# EAGLE board Mk4 Final a Panel score 2x5 (EAGLE 9.0.1), part 27 of 29
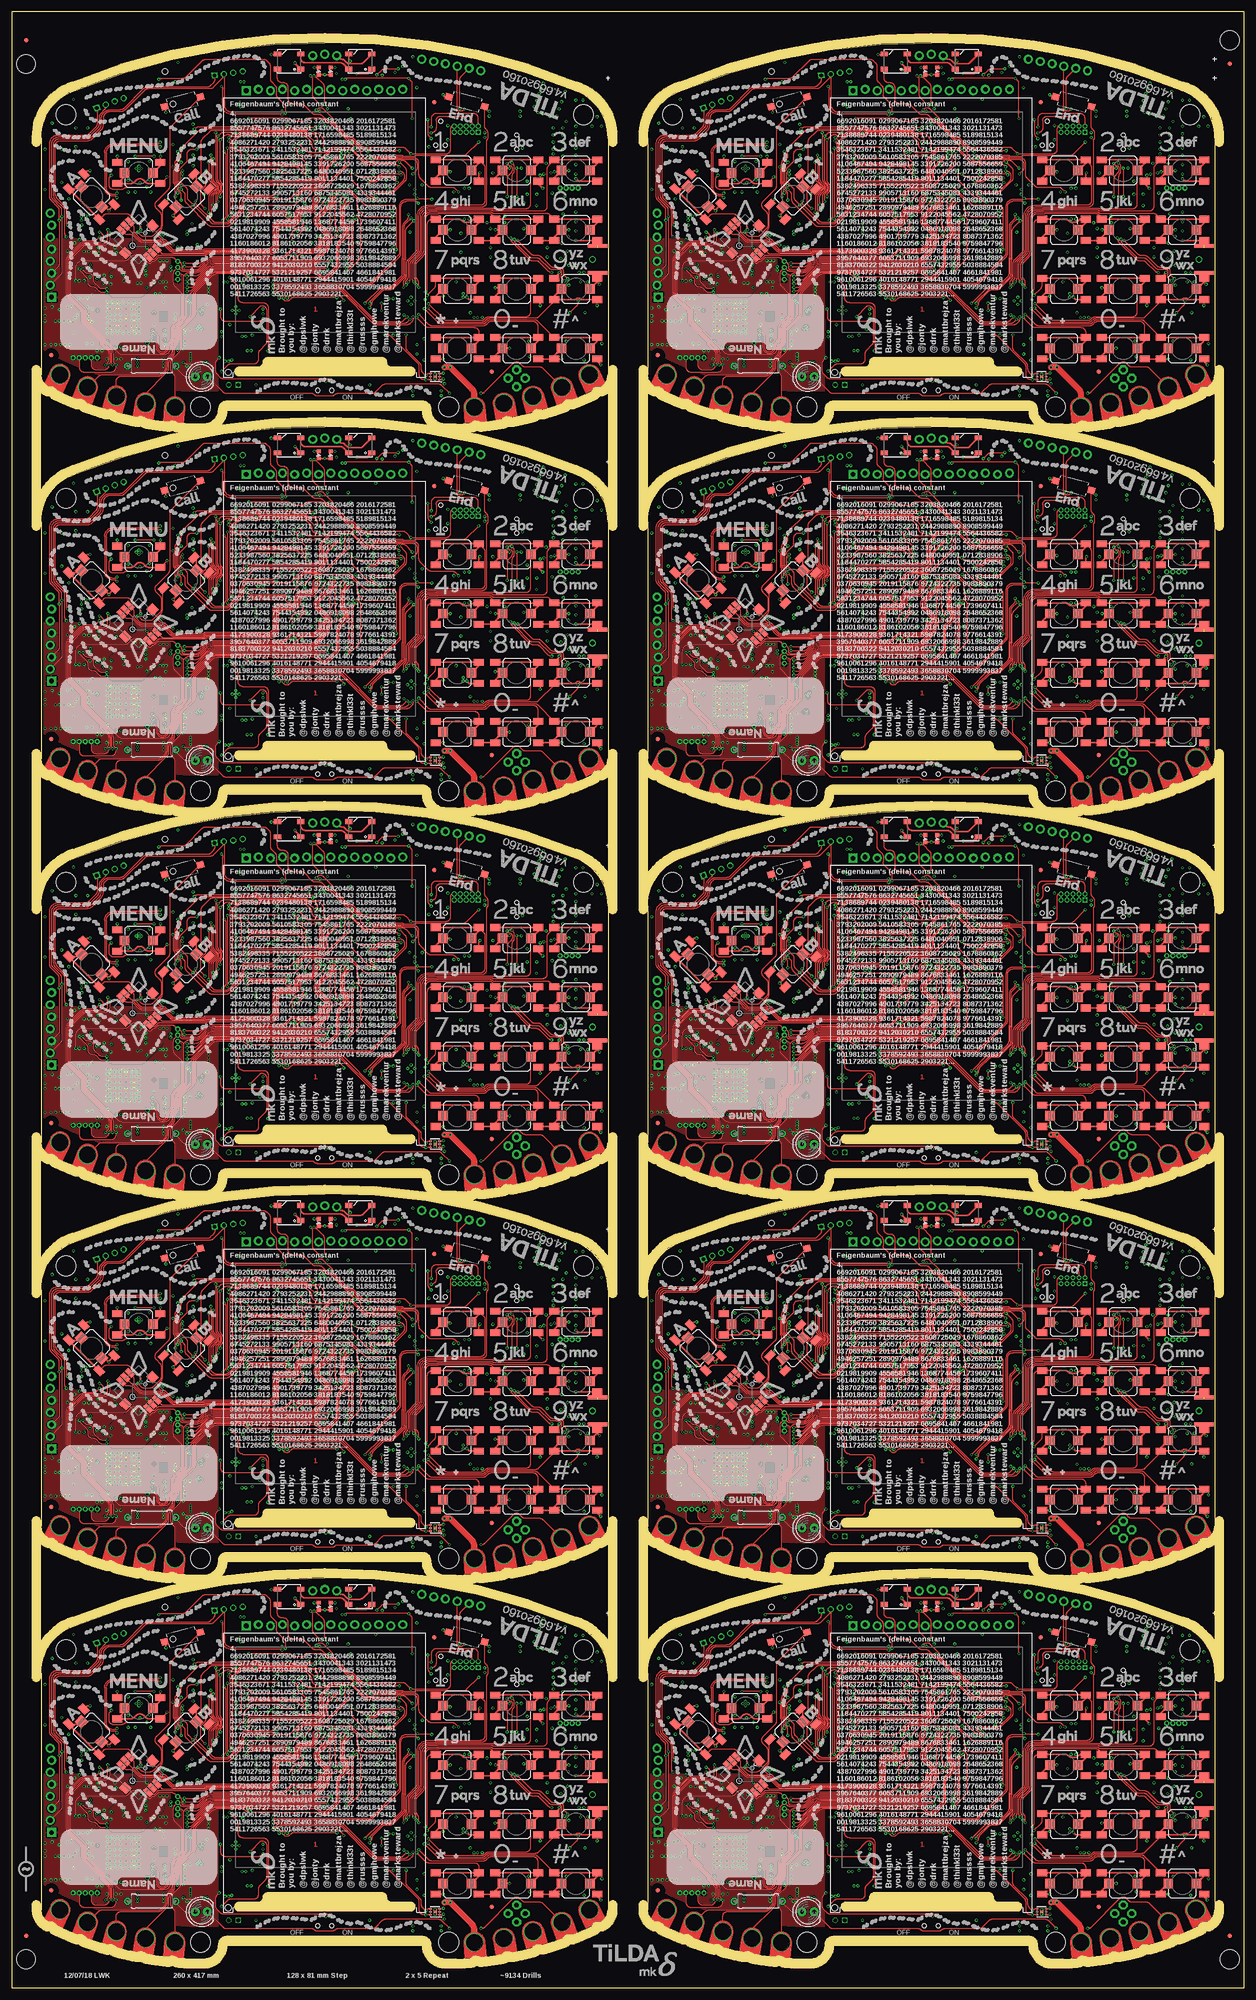
[diagram p0: board, top side]
## Tracks (layer width: path | path; a pad name or v marks a point on that pad's centre or on a via) (continued)
UART3_CC_TX5  (via drill 0.3) (continued)
  Top 0.15: v157.75,185.75 158.45,185.05 158.45,184.2 arc90 159.7,182.95 159.85,182.95 arc90 161.1,184.2 arc-45 161.49,185.14 161.73,185.38 arc45 162.1,186.27 162.1,187.62 arc-45 162.76,189.21 163.88,190.33 arc45 164.25,191.22 164.25,199.25 | 164.25,199.25 164.71,199.71 arc-45 165.41,200 166.96,200 arc45 168.02,200.44 168.88,201.29 arc-45 170.82,202.1 191.03,202.1 arc45 192.09,202.54 194.41,204.85 arc45 194.7,205.56 194.7,206.02 arc-45 194.85,206.37 195.05,206.58 arc45 195.2,206.93 195.2,213.09 arc-45 195.41,213.59 195.75,213.94 arc45 195.9,214.29 195.9,214.3 arc-45 196.05,214.66 arc45 196.12,214.84 196.12,215.67 arc-45 196.27,216.02 v196.75,216.5 | JP52.2 163.32,199.77 arc-45 164.02,199.48 164.25,199.25
  Bottom 0.15: IC101.57 arc-90 156.65,189.55 156.65,188.06 arc45 156.71,187.92 156.77,187.86 arc-45 156.82,187.72 156.82,187.09 arc45 157.12,186.38 v157.75,185.75 R459.1 | v196.75,216.5 196.75,218.28 arc-90 197.75,219.28 199.62,219.28 199.69,219.2 IC92.117
UART3_CC_TX6  (via drill 0.3)
  Top 0.15: v29.75,266.75 30.45,266.05 30.45,265.2 arc90 31.7,263.95 31.85,263.95 arc90 33.1,265.2 arc-45 33.49,266.14 33.73,266.38 arc45 34.1,267.27 34.1,268.62 arc-45 34.76,270.21 35.88,271.33 arc45 36.25,272.22 36.25,280.25 | 36.25,280.25 36.71,280.71 arc-45 37.41,281 38.96,281 arc45 40.02,281.44 40.88,282.3 arc-45 42.82,283.1 63.03,283.1 arc45 64.09,283.54 66.41,285.85 arc45 66.7,286.56 66.7,287.02 arc-45 66.85,287.37 67.05,287.58 arc45 67.2,287.93 67.2,294.09 arc-45 67.41,294.59 67.75,294.94 arc45 67.9,295.29 67.9,295.3 arc-45 68.05,295.65 arc45 68.12,295.85 68.12,296.67 arc-45 68.27,297.02 v68.75,297.5 | JP61.2 35.32,280.77 arc-45 36.02,280.48 36.25,280.25
  Bottom 0.15: IC119.57 arc-90 28.65,270.55 28.65,269.06 arc45 28.71,268.92 28.77,268.86 arc-45 28.83,268.72 28.83,268.09 arc45 29.12,267.38 v29.75,266.75 R537.1 | v68.75,297.5 68.75,299.27 arc-90 69.75,300.27 71.62,300.27 71.69,300.2 IC110.117
UART3_CC_TX7  (via drill 0.3)
  Top 0.15: v157.75,266.75 158.45,266.05 158.45,265.2 arc90 159.7,263.95 159.85,263.95 arc90 161.1,265.2 arc-45 161.49,266.14 161.73,266.38 arc45 162.1,267.27 162.1,268.62 arc-45 162.76,270.21 163.88,271.33 arc45 164.25,272.22 164.25,280.25 | 164.25,280.25 164.71,280.71 arc-45 165.41,281 166.96,281 arc45 168.02,281.44 168.88,282.3 arc-45 170.82,283.1 191.03,283.1 arc45 192.09,283.54 194.41,285.85 arc45 194.7,286.56 194.7,287.02 arc-45 194.85,287.37 195.05,287.58 arc45 195.2,287.93 195.2,294.09 arc-45 195.41,294.59 195.75,294.94 arc45 195.9,295.29 195.9,295.3 arc-45 196.05,295.65 arc45 196.12,295.85 196.12,296.67 arc-45 196.27,297.02 v196.75,297.5 | JP70.2 163.32,280.77 arc-45 164.02,280.48 164.25,280.25
  Bottom 0.15: IC137.57 arc-90 156.65,270.55 156.65,269.06 arc45 156.71,268.92 156.77,268.86 arc-45 156.82,268.72 156.82,268.09 arc45 157.12,267.38 v157.75,266.75 R615.1 | v196.75,297.5 196.75,299.27 arc-90 197.75,300.27 199.62,300.27 199.69,300.2 IC128.117
UART3_CC_TX8  (via drill 0.3)
  Top 0.15: v29.75,347.75 30.45,347.05 30.45,346.2 arc90 31.7,344.95 31.85,344.95 arc90 33.1,346.2 arc-45 33.49,347.14 33.73,347.38 arc45 34.1,348.27 34.1,349.62 arc-45 34.76,351.21 35.88,352.33 arc45 36.25,353.22 36.25,361.25 | 36.25,361.25 36.71,361.71 arc-45 37.41,362 38.96,362 arc45 40.02,362.44 40.88,363.3 arc-45 42.82,364.1 63.03,364.1 arc45 64.09,364.54 66.41,366.85 arc45 66.7,367.56 66.7,368.02 arc-45 66.85,368.37 67.05,368.58 arc45 67.2,368.93 67.2,375.09 arc-45 67.41,375.59 67.75,375.94 arc45 67.9,376.29 67.9,376.3 arc-45 68.05,376.65 arc45 68.12,376.85 68.12,377.67 arc-45 68.27,378.02 v68.75,378.5 | JP79.2 35.32,361.77 arc-45 36.02,361.48 36.25,361.25
  Bottom 0.15: IC155.57 arc-90 28.65,351.55 28.65,350.06 arc45 28.71,349.92 28.77,349.86 arc-45 28.83,349.72 28.83,349.09 arc45 29.12,348.38 v29.75,347.75 R693.1 | v68.75,378.5 68.75,380.27 arc-90 69.75,381.27 71.62,381.27 71.69,381.2 IC146.117
UART3_CC_TX9  (via drill 0.3)
  Top 0.15: v157.75,347.75 158.45,347.05 158.45,346.2 arc90 159.7,344.95 159.85,344.95 arc90 161.1,346.2 arc-45 161.49,347.14 161.73,347.38 arc45 162.1,348.27 162.1,349.62 arc-45 162.76,351.21 163.88,352.33 arc45 164.25,353.22 164.25,361.25 | 164.25,361.25 164.71,361.71 arc-45 165.41,362 166.96,362 arc45 168.02,362.44 168.88,363.3 arc-45 170.82,364.1 191.03,364.1 arc45 192.09,364.54 194.41,366.85 arc45 194.7,367.56 194.7,368.02 arc-45 194.85,368.37 195.05,368.58 arc45 195.2,368.93 195.2,375.09 arc-45 195.41,375.59 195.75,375.94 arc45 195.9,376.29 195.9,376.3 arc-45 196.05,376.65 arc45 196.12,376.85 196.12,377.67 arc-45 196.27,378.02 v196.75,378.5 | JP88.2 163.32,361.77 arc-45 164.02,361.48 164.25,361.25
  Bottom 0.15: IC173.57 arc-90 156.65,351.55 156.65,350.06 arc45 156.71,349.92 156.77,349.86 arc-45 156.82,349.72 156.82,349.09 arc45 157.12,348.38 v157.75,347.75 R771.1 | v196.75,378.5 196.75,380.27 arc-90 197.75,381.27 199.62,381.27 199.69,381.2 IC164.117
UART4_EXT_RX  (via drill 0.3)
  Top 0.15: PCB.CH3 22.04,15.1 arc-90 23.04,16.1 30.88,16.1 arc45 31.77,16.47 32.48,17.18 arc45 32.85,18.07 32.85,18.93 arc-45 33.29,19.99 33.73,20.43 arc45 34.1,21.32 34.1,21.86 arc-45 34.47,22.74 arc45 35,24.03 35,25.55 arc-45 35.44,26.61 37.41,28.58 arc45 37.7,29.29 v37.7,31.5 | v65.4,45.7 65.35,45.65 arc45 65.2,45.29 65.2,44.37 arc-45 64.83,43.48 64.42,43.07 arc-45 63.53,42.7 59.61,42.7 arc45 58.91,42.41 57.87,41.37 arc-45 56.98,41 42.76,41 arc45 40.38,40.08 39.8,39.49 arc-45 39.09,39.2 v36.4,39.2
  Top 0.2: J10.1 arc-45 18.1,72.32 18.1,69.51 arc-45 17.81,68.81 16.29,67.29 arc-45 15.59,67 9.75,67 arc90 8,65.25 8,53.91 arc45 8.29,53.21 9.71,51.79 arc-45 10,51.09 v10,49 10,39.87 arc-45 9.71,39.16 JP6.3
  3V3@2 0.15: 22,11.87 PCB.CH3 | v36.4,39.2 36.3,39.2 35.75,39.75 35.75,40.73 34.95,41.53 v34.95,43.35 | v14.7,49 v10,49
  Bottom 0.15: v65.4,45.7 65.32,45.78 arc-45 65.18,46.13 65.18,47.37 arc45 65.03,47.72 64.85,47.9 arc-45 64.7,48.26 64.7,49.26 arc-45 64.99,49.97 65.11,50.08 arc45 65.4,50.79 IC1.18 | v36.4,39.2 arc-45 36.91,38.99 37.71,38.19 arc-45 38,37.49 38,32.21 arc-45 v37.71,31.51 v37.7,31.5 | v14.7,49 26.41,49 arc-45 27.12,48.71 28.71,47.11 arc45 29.95,46.6 32.9,46.6 arc-90 33.9,45.6 33.9,45.03 arc45 34.03,44.73 34.63,44.12 arc-45 v34.95,43.35
  Bottom 0.3: J10.5 J10.1
UART4_EXT_RX1  (via drill 0.3)
  Top 0.15: PCB1.CH3 150.04,15.1 arc-90 151.04,16.1 158.88,16.1 arc45 159.77,16.47 160.48,17.18 arc45 160.85,18.07 160.85,18.93 arc-45 161.29,19.99 161.73,20.43 arc45 162.1,21.32 162.1,21.86 arc-45 162.47,22.74 arc45 163,24.03 163,25.55 arc-45 163.44,26.61 165.41,28.58 arc45 165.7,29.29 v165.7,31.5 | v193.4,45.7 193.35,45.65 arc45 193.2,45.29 193.2,44.37 arc-45 192.83,43.48 192.42,43.07 arc-45 191.53,42.7 187.61,42.7 arc45 186.91,42.41 185.87,41.37 arc-45 184.98,41 170.76,41 arc45 168.38,40.08 167.8,39.49 arc-45 167.09,39.2 v164.4,39.2
  Top 0.2: J16.1 arc-45 146.1,72.32 146.1,69.51 arc-45 145.81,68.81 144.29,67.29 arc-45 143.59,67 137.75,67 arc90 136,65.25 136,53.91 arc45 136.29,53.21 137.71,51.79 arc-45 138,51.09 v138,49 138,39.87 arc-45 137.71,39.16 JP17.3
  3V3@2 0.15: 150,11.87 PCB1.CH3 | v164.4,39.2 164.3,39.2 163.75,39.75 163.75,40.73 162.95,41.53 v162.95,43.35 | v142.7,49 v138,49
  Bottom 0.15: v193.4,45.7 193.32,45.78 arc-45 193.18,46.13 193.18,47.37 arc45 193.03,47.72 192.85,47.9 arc-45 192.7,48.26 192.7,49.26 arc-45 192.99,49.97 193.11,50.08 arc45 193.4,50.79 IC20.18 | v164.4,39.2 arc-45 164.91,38.99 165.71,38.19 arc-45 166,37.49 166,32.21 arc-45 v165.71,31.51 v165.7,31.5 | v142.7,49 154.41,49 arc-45 155.12,48.71 156.71,47.11 arc45 157.95,46.6 160.9,46.6 arc-90 161.9,45.6 161.9,45.03 arc45 162.03,44.73 162.63,44.12 arc-45 v162.95,43.35
  Bottom 0.3: J16.5 J16.1
UART4_EXT_RX2  (via drill 0.3)
  Top 0.15: PCB2.CH3 22.04,96.1 arc-90 23.04,97.1 30.88,97.1 arc45 31.77,97.47 32.48,98.18 arc45 32.85,99.07 32.85,99.93 arc-45 33.29,100.99 33.73,101.43 arc45 34.1,102.32 34.1,102.86 arc-45 34.47,103.74 arc45 35,105.03 35,106.55 arc-45 35.44,107.61 37.41,109.58 arc45 37.7,110.29 v37.7,112.5 | v65.4,126.7 65.35,126.65 arc45 65.2,126.29 65.2,125.37 arc-45 64.83,124.48 64.42,124.07 arc-45 63.53,123.7 59.61,123.7 arc45 58.91,123.41 57.87,122.37 arc-45 56.98,122 42.76,122 arc45 40.38,121.08 39.8,120.49 arc-45 39.09,120.2 v36.4,120.2
  Top 0.2: J26.1 arc-45 18.1,153.32 18.1,150.51 arc-45 17.81,149.81 16.29,148.29 arc-45 15.59,148 9.75,148 arc90 8,146.25 8,134.91 arc45 8.29,134.21 9.71,132.79 arc-45 10,132.09 v10,130 10,120.87 arc-45 9.71,120.16 JP26.3
  3V3@2 0.15: 22,92.87 PCB2.CH3 | v36.4,120.2 36.3,120.2 35.75,120.75 35.75,121.73 34.95,122.53 v34.95,124.35 | v14.7,130 v10,130
  Bottom 0.15: v65.4,126.7 65.32,126.78 arc-45 65.18,127.13 65.18,128.37 arc45 65.03,128.72 64.85,128.9 arc-45 64.7,129.26 64.7,130.26 arc-45 64.99,130.97 65.11,131.08 arc45 65.4,131.79 IC38.18 | v36.4,120.2 arc-45 36.91,119.99 37.71,119.19 arc-45 38,118.49 38,113.21 arc-45 v37.71,112.51 v37.7,112.5 | v14.7,130 26.41,130 arc-45 27.12,129.71 28.71,128.11 arc45 29.95,127.6 32.9,127.6 arc-90 33.9,126.6 33.9,126.03 arc45 34.03,125.73 34.63,125.12 arc-45 v34.95,124.35
  Bottom 0.3: J26.5 J26.1
UART4_EXT_RX3  (via drill 0.3)
  Top 0.15: PCB3.CH3 150.04,96.1 arc-90 151.04,97.1 158.88,97.1 arc45 159.77,97.47 160.48,98.18 arc45 160.85,99.07 160.85,99.93 arc-45 161.29,100.99 161.73,101.43 arc45 162.1,102.32 162.1,102.86 arc-45 162.47,103.74 arc45 163,105.03 163,106.55 arc-45 163.44,107.61 165.41,109.58 arc45 165.7,110.29 v165.7,112.5 | v193.4,126.7 193.35,126.65 arc45 193.2,126.29 193.2,125.37 arc-45 192.83,124.48 192.42,124.07 arc-45 191.53,123.7 187.61,123.7 arc45 186.91,123.41 185.87,122.37 arc-45 184.98,122 170.76,122 arc45 168.38,121.08 167.8,120.49 arc-45 167.09,120.2 v164.4,120.2
  Top 0.2: J36.1 arc-45 146.1,153.32 146.1,150.51 arc-45 145.81,149.81 144.29,148.29 arc-45 143.59,148 137.75,148 arc90 136,146.25 136,134.91 arc45 136.29,134.21 137.71,132.79 arc-45 138,132.09 v138,130 138,120.87 arc-45 137.71,120.16 JP35.3
  3V3@2 0.15: 150,92.87 PCB3.CH3 | v164.4,120.2 164.3,120.2 163.75,120.75 163.75,121.73 162.95,122.53 v162.95,124.35 | v142.7,130 v138,130
  Bottom 0.15: v193.4,126.7 193.32,126.78 arc-45 193.18,127.13 193.18,128.37 arc45 193.03,128.72 192.85,128.9 arc-45 192.7,129.26 192.7,130.26 arc-45 192.99,130.97 193.11,131.08 arc45 193.4,131.79 IC56.18 | v164.4,120.2 arc-45 164.91,119.99 165.71,119.19 arc-45 166,118.49 166,113.21 arc-45 v165.71,112.51 v165.7,112.5 | v142.7,130 154.41,130 arc-45 155.12,129.71 156.71,128.11 arc45 157.95,127.6 160.9,127.6 arc-90 161.9,126.6 161.9,126.03 arc45 162.03,125.73 162.63,125.12 arc-45 v162.95,124.35
  Bottom 0.3: J36.5 J36.1
UART4_EXT_RX4  (via drill 0.3)
  Top 0.15: PCB4.CH3 22.04,177.1 arc-90 23.04,178.1 30.88,178.1 arc45 31.77,178.47 32.48,179.18 arc45 32.85,180.07 32.85,180.93 arc-45 33.29,181.99 33.73,182.43 arc45 34.1,183.32 34.1,183.86 arc-45 34.47,184.74 arc45 35,186.03 35,187.55 arc-45 35.44,188.62 37.41,190.58 arc45 37.7,191.29 v37.7,193.5 | v65.4,207.7 65.35,207.65 arc45 65.2,207.29 65.2,206.37 arc-45 64.83,205.48 64.42,205.07 arc-45 63.53,204.7 59.61,204.7 arc45 58.91,204.41 57.87,203.37 arc-45 56.98,203 42.76,203 arc45 40.38,202.07 39.8,201.49 arc-45 39.09,201.2 v36.4,201.2
  Top 0.2: J46.1 arc-45 18.1,234.32 18.1,231.51 arc-45 17.81,230.81 16.29,229.29 arc-45 15.59,229 9.75,229 arc90 8,227.25 8,215.91 arc45 8.29,215.21 9.71,213.79 arc-45 10,213.09 v10,211 10,201.87 arc-45 9.71,201.16 JP44.3
  3V3@2 0.15: 22,173.87 PCB4.CH3 | v36.4,201.2 36.3,201.2 35.75,201.75 35.75,202.73 34.95,203.53 v34.95,205.35 | v14.7,211 v10,211
  Bottom 0.15: v65.4,207.7 65.32,207.78 arc-45 65.18,208.13 65.18,209.37 arc45 65.03,209.72 64.85,209.9 arc-45 64.7,210.26 64.7,211.26 arc-45 64.99,211.97 65.11,212.08 arc45 65.4,212.79 IC74.18 | v36.4,201.2 arc-45 36.91,200.99 37.71,200.19 arc-45 38,199.49 38,194.21 arc-45 v37.71,193.51 v37.7,193.5 | v14.7,211 26.41,211 arc-45 27.12,210.71 28.71,209.11 arc45 29.95,208.6 32.9,208.6 arc-90 33.9,207.6 33.9,207.03 arc45 34.03,206.73 34.63,206.12 arc-45 v34.95,205.35
  Bottom 0.3: J46.5 J46.1
UART4_EXT_RX5  (via drill 0.3)
  Top 0.15: PCB5.CH3 150.04,177.1 arc-90 151.04,178.1 158.88,178.1 arc45 159.77,178.47 160.48,179.18 arc45 160.85,180.07 160.85,180.93 arc-45 161.29,181.99 161.73,182.43 arc45 162.1,183.32 162.1,183.86 arc-45 162.47,184.74 arc45 163,186.03 163,187.55 arc-45 163.44,188.62 165.41,190.58 arc45 165.7,191.29 v165.7,193.5 | v193.4,207.7 193.35,207.65 arc45 193.2,207.29 193.2,206.37 arc-45 192.83,205.48 192.42,205.07 arc-45 191.53,204.7 187.61,204.7 arc45 186.91,204.41 185.87,203.37 arc-45 184.98,203 170.76,203 arc45 168.38,202.07 167.8,201.49 arc-45 167.09,201.2 v164.4,201.2
  Top 0.2: J56.1 arc-45 146.1,234.32 146.1,231.51 arc-45 145.81,230.81 144.29,229.29 arc-45 143.59,229 137.75,229 arc90 136,227.25 136,215.91 arc45 136.29,215.21 137.71,213.79 arc-45 138,213.09 v138,211 138,201.87 arc-45 137.71,201.16 JP53.3
  3V3@2 0.15: 150,173.87 PCB5.CH3 | v164.4,201.2 164.3,201.2 163.75,201.75 163.75,202.73 162.95,203.53 v162.95,205.35 | v142.7,211 v138,211
  Bottom 0.15: v193.4,207.7 193.32,207.78 arc-45 193.18,208.13 193.18,209.37 arc45 193.03,209.72 192.85,209.9 arc-45 192.7,210.26 192.7,211.26 arc-45 192.99,211.97 193.11,212.08 arc45 193.4,212.79 IC92.18 | v164.4,201.2 arc-45 164.91,200.99 165.71,200.19 arc-45 166,199.49 166,194.21 arc-45 v165.71,193.51 v165.7,193.5 | v142.7,211 154.41,211 arc-45 155.12,210.71 156.71,209.11 arc45 157.95,208.6 160.9,208.6 arc-90 161.9,207.6 161.9,207.03 arc45 162.03,206.73 162.63,206.12 arc-45 v162.95,205.35
  Bottom 0.3: J56.5 J56.1
UART4_EXT_RX6  (via drill 0.3)
  Top 0.15: PCB6.CH3 22.04,258.1 arc-90 23.04,259.1 30.88,259.1 arc45 31.77,259.47 32.48,260.18 arc45 32.85,261.07 32.85,261.93 arc-45 33.29,262.99 33.73,263.43 arc45 34.1,264.32 34.1,264.86 arc-45 34.47,265.74 arc45 35,267.03 35,268.55 arc-45 35.44,269.62 37.41,271.58 arc45 37.7,272.29 v37.7,274.5 | v65.4,288.7 65.35,288.65 arc45 65.2,288.29 65.2,287.37 arc-45 64.83,286.48 64.42,286.07 arc-45 63.53,285.7 59.61,285.7 arc45 58.91,285.41 57.87,284.37 arc-45 56.98,284 42.76,284 arc45 40.38,283.07 39.8,282.49 arc-45 39.09,282.2 v36.4,282.2
  Top 0.2: J66.1 arc-45 18.1,315.32 18.1,312.51 arc-45 17.81,311.81 16.29,310.29 arc-45 15.59,310 9.75,310 arc90 8,308.25 8,296.91 arc45 8.29,296.21 9.71,294.79 arc-45 10,294.09 v10,292 10,282.87 arc-45 9.71,282.16 JP62.3
  3V3@2 0.15: 22,254.87 PCB6.CH3 | v36.4,282.2 36.3,282.2 35.75,282.75 35.75,283.73 34.95,284.53 v34.95,286.35 | v14.7,292 v10,292
  Bottom 0.15: v65.4,288.7 65.32,288.78 arc-45 65.18,289.13 65.18,290.37 arc45 65.03,290.72 64.85,290.9 arc-45 64.7,291.26 64.7,292.26 arc-45 64.99,292.97 65.11,293.08 arc45 65.4,293.79 IC110.18 | v36.4,282.2 arc-45 36.91,281.99 37.71,281.19 arc-45 38,280.49 38,275.21 arc-45 v37.71,274.51 v37.7,274.5 | v14.7,292 26.41,292 arc-45 27.12,291.71 28.71,290.11 arc45 29.95,289.6 32.9,289.6 arc-90 33.9,288.6 33.9,288.03 arc45 34.03,287.73 34.63,287.12 arc-45 v34.95,286.35
  Bottom 0.3: J66.5 J66.1
UART4_EXT_RX7  (via drill 0.3)
  Top 0.15: PCB7.CH3 150.04,258.1 arc-90 151.04,259.1 158.88,259.1 arc45 159.77,259.47 160.48,260.18 arc45 160.85,261.07 160.85,261.93 arc-45 161.29,262.99 161.73,263.43 arc45 162.1,264.32 162.1,264.86 arc-45 162.47,265.74 arc45 163,267.03 163,268.55 arc-45 163.44,269.62 165.41,271.58 arc45 165.7,272.29 v165.7,274.5 | v193.4,288.7 193.35,288.65 arc45 193.2,288.29 193.2,287.37 arc-45 192.83,286.48 192.42,286.07 arc-45 191.53,285.7 187.61,285.7 arc45 186.91,285.41 185.87,284.37 arc-45 184.98,284 170.76,284 arc45 168.38,283.07 167.8,282.49 arc-45 167.09,282.2 v164.4,282.2
  Top 0.2: J76.1 arc-45 146.1,315.32 146.1,312.51 arc-45 145.81,311.81 144.29,310.29 arc-45 143.59,310 137.75,310 arc90 136,308.25 136,296.91 arc45 136.29,296.21 137.71,294.79 arc-45 138,294.09 v138,292 138,282.87 arc-45 137.71,282.16 JP71.3
  3V3@2 0.15: 150,254.87 PCB7.CH3 | v164.4,282.2 164.3,282.2 163.75,282.75 163.75,283.73 162.95,284.53 v162.95,286.35 | v142.7,292 v138,292
  Bottom 0.15: v193.4,288.7 193.32,288.78 arc-45 193.18,289.13 193.18,290.37 arc45 193.03,290.72 192.85,290.9 arc-45 192.7,291.26 192.7,292.26 arc-45 192.99,292.97 193.11,293.08 arc45 193.4,293.79 IC128.18 | v164.4,282.2 arc-45 164.91,281.99 165.71,281.19 arc-45 166,280.49 166,275.21 arc-45 v165.71,274.51 v165.7,274.5 | v142.7,292 154.41,292 arc-45 155.12,291.71 156.71,290.11 arc45 157.95,289.6 160.9,289.6 arc-90 161.9,288.6 161.9,288.03 arc45 162.03,287.73 162.63,287.12 arc-45 v162.95,286.35
  Bottom 0.3: J76.5 J76.1
UART4_EXT_RX8  (via drill 0.3)
  Top 0.15: PCB8.CH3 22.04,339.1 arc-90 23.04,340.1 30.88,340.1 arc45 31.77,340.47 32.48,341.18 arc45 32.85,342.07 32.85,342.93 arc-45 33.29,343.99 33.73,344.43 arc45 34.1,345.32 34.1,345.86 arc-45 34.47,346.74 arc45 35,348.03 35,349.55 arc-45 35.44,350.62 37.41,352.58 arc45 37.7,353.29 v37.7,355.5 | v65.4,369.7 65.35,369.65 arc45 65.2,369.29 65.2,368.37 arc-45 64.83,367.48 64.42,367.07 arc-45 63.53,366.7 59.61,366.7 arc45 58.91,366.41 57.87,365.37 arc-45 56.98,365 42.76,365 arc45 40.38,364.07 39.8,363.49 arc-45 39.09,363.2 v36.4,363.2
  Top 0.2: J86.1 arc-45 18.1,396.32 18.1,393.51 arc-45 17.81,392.81 16.29,391.29 arc-45 15.59,391 9.75,391 arc90 8,389.25 8,377.91 arc45 8.29,377.21 9.71,375.79 arc-45 10,375.09 v10,373 10,363.87 arc-45 9.71,363.16 JP80.3
  3V3@2 0.15: 22,335.87 PCB8.CH3 | v36.4,363.2 36.3,363.2 35.75,363.75 35.75,364.73 34.95,365.53 v34.95,367.35 | v14.7,373 v10,373
  Bottom 0.15: v65.4,369.7 65.32,369.78 arc-45 65.18,370.13 65.18,371.37 arc45 65.03,371.72 64.85,371.9 arc-45 64.7,372.26 64.7,373.26 arc-45 64.99,373.97 65.11,374.08 arc45 65.4,374.79 IC146.18 | v36.4,363.2 arc-45 36.91,362.99 37.71,362.19 arc-45 38,361.49 38,356.21 arc-45 v37.71,355.51 v37.7,355.5 | v14.7,373 26.41,373 arc-45 27.12,372.71 28.71,371.11 arc45 29.95,370.6 32.9,370.6 arc-90 33.9,369.6 33.9,369.03 arc45 34.03,368.73 34.63,368.12 arc-45 v34.95,367.35
  Bottom 0.3: J86.5 J86.1
UART4_EXT_RX9  (via drill 0.3)
  Top 0.15: PCB9.CH3 150.04,339.1 arc-90 151.04,340.1 158.88,340.1 arc45 159.77,340.47 160.48,341.18 arc45 160.85,342.07 160.85,342.93 arc-45 161.29,343.99 161.73,344.43 arc45 162.1,345.32 162.1,345.86 arc-45 162.47,346.74 arc45 163,348.03 163,349.55 arc-45 163.44,350.62 165.41,352.58 arc45 165.7,353.29 v165.7,355.5 | v193.4,369.7 193.35,369.65 arc45 193.2,369.29 193.2,368.37 arc-45 192.83,367.48 192.42,367.07 arc-45 191.53,366.7 187.61,366.7 arc45 186.91,366.41 185.87,365.37 arc-45 184.98,365 170.76,365 arc45 168.38,364.07 167.8,363.49 arc-45 167.09,363.2 v164.4,363.2
  Top 0.2: J96.1 arc-45 146.1,396.32 146.1,393.51 arc-45 145.81,392.81 144.29,391.29 arc-45 143.59,391 137.75,391 arc90 136,389.25 136,377.91 arc45 136.29,377.21 137.71,375.79 arc-45 138,375.09 v138,373 138,363.87 arc-45 137.71,363.16 JP89.3
  3V3@2 0.15: 150,335.87 PCB9.CH3 | v164.4,363.2 164.3,363.2 163.75,363.75 163.75,364.73 162.95,365.53 v162.95,367.35 | v142.7,373 v138,373
  Bottom 0.15: v193.4,369.7 193.32,369.78 arc-45 193.18,370.13 193.18,371.37 arc45 193.03,371.72 192.85,371.9 arc-45 192.7,372.26 192.7,373.26 arc-45 192.99,373.97 193.11,374.08 arc45 193.4,374.79 IC164.18 | v164.4,363.2 arc-45 164.91,362.99 165.71,362.19 arc-45 166,361.49 166,356.21 arc-45 v165.71,355.51 v165.7,355.5 | v142.7,373 154.41,373 arc-45 155.12,372.71 156.71,371.11 arc45 157.95,370.6 160.9,370.6 arc-90 161.9,369.6 161.9,369.03 arc45 162.03,368.73 162.63,368.12 arc-45 v162.95,367.35
  Bottom 0.3: J96.5 J96.1
UART4_EXT_TX  (via drill 0.3)
  Top 0.15: PCB.CH4 18.29,16.11 arc-45 19,16.4 30.86,16.4 arc45 31.57,16.69 32.26,17.38 arc45 32.55,18.09 32.55,18.95 arc-45 33.06,20.19 33.51,20.63 arc45 33.8,21.34 33.8,21.88 arc-45 34.24,22.94 arc45 34.7,24.05 34.7,25.57 arc-45 35.21,26.81 36.39,27.99 arc45 36.9,29.23 36.9,31.39 arc-45 v37.19,32.09 v37.2,32.1 | v64.65,45.7 64.75,45.6 arc-45 64.9,45.24 64.9,44.39 arc-45 64.61,43.68 64.22,43.29 arc-45 63.51,43 59.57,43 arc45 58.68,42.63 57.64,41.59 arc-45 56.94,41.3 42.74,41.3 arc45 40.19,40.3 40.18,40.29 arc-45 39.47,40 v36.4,40
  Top 0.2: J10.2 19.81,73.03 arc-45 19.52,72.32 18.94,71.74 arc45 18.5,70.68 18.5,69.42 arc-45 18.13,68.53 16.57,66.97 arc-45 15.68,66.6 9.9,66.6 arc90 8.4,65.1 8.4,54.06 arc45 8.69,53.36 10.26,51.79 arc-45 10.55,51.09 v10.55,49.8 10.55,38.13 arc-45 10.26,37.42 JP6.2
  3V3@2 0.15: v14.7,49.8 v10.55,49.8 | v35.7,43.35 35.7,41.3 36.4,40.6 v36.4,40
  Bottom 0.15: v64.65,45.7 64.73,45.78 arc45 64.88,46.13 64.88,47.22 arc45 64.73,47.57 64.5,47.8 arc-45 64.35,48.16 64.35,49.34 arc-45 64.64,50.04 64.85,50.25 arc45 65,50.61 IC1.19 | v37.2,32.1 37.41,32.31 arc45 37.7,33.01 37.7,37.29 arc45 37.41,37.99 37.09,38.31 arc45 36.39,38.6 36.3,38.6 arc-90 35.8,39.1 35.8,39.5 arc-90 36.3,40 v36.4,40 | v14.7,49.8 14.91,49.59 arc45 15.61,49.3 26.43,49.3 arc-45 27.32,48.93 28.91,47.34 arc45 29.97,46.9 32.95,46.9 arc-90 34.2,45.65 34.2,45.2 arc45 34.36,44.82 35.61,43.56 arc-45 v35.7,43.35
  Bottom 0.3: J10.6 J10.2
UART4_EXT_TX1  (via drill 0.3)
  Top 0.15: PCB1.CH4 146.29,16.11 arc-45 147,16.4 158.86,16.4 arc45 159.57,16.69 160.26,17.38 arc45 160.55,18.09 160.55,18.95 arc-45 161.06,20.19 161.51,20.63 arc45 161.8,21.34 161.8,21.88 arc-45 162.24,22.94 arc45 162.7,24.05 162.7,25.57 arc-45 163.21,26.81 164.39,27.99 arc45 164.9,29.23 164.9,31.39 arc-45 v165.19,32.09 v165.2,32.1 | v192.65,45.7 192.75,45.6 arc-45 192.9,45.24 192.9,44.39 arc-45 192.61,43.68 192.22,43.29 arc-45 191.51,43 187.57,43 arc45 186.68,42.63 185.64,41.59 arc-45 184.94,41.3 170.74,41.3 arc45 168.19,40.3 168.18,40.29 arc-45 167.47,40 v164.4,40
  Top 0.2: J16.2 147.81,73.03 arc-45 147.52,72.32 146.94,71.74 arc45 146.5,70.68 146.5,69.42 arc-45 146.13,68.53 144.57,66.97 arc-45 143.68,66.6 137.9,66.6 arc90 136.4,65.1 136.4,54.06 arc45 136.69,53.36 138.26,51.79 arc-45 138.55,51.09 v138.55,49.8 138.55,38.13 arc-45 138.26,37.42 JP17.2
  3V3@2 0.15: v142.7,49.8 v138.55,49.8 | v163.7,43.35 163.7,41.3 164.4,40.6 v164.4,40
  Bottom 0.15: v192.65,45.7 192.73,45.78 arc45 192.88,46.13 192.88,47.22 arc45 192.73,47.57 192.5,47.8 arc-45 192.35,48.16 192.35,49.34 arc-45 192.64,50.04 192.85,50.25 arc45 193,50.61 IC20.19 | v165.2,32.1 165.41,32.31 arc45 165.7,33.01 165.7,37.29 arc45 165.41,37.99 165.09,38.31 arc45 164.39,38.6 164.3,38.6 arc-90 163.8,39.1 163.8,39.5 arc-90 164.3,40 v164.4,40 | v142.7,49.8 142.91,49.59 arc45 143.61,49.3 154.43,49.3 arc-45 155.32,48.93 156.91,47.34 arc45 157.97,46.9 160.95,46.9 arc-90 162.2,45.65 162.2,45.2 arc45 162.36,44.82 163.61,43.56 arc-45 v163.7,43.35
  Bottom 0.3: J16.6 J16.2
UART4_EXT_TX2  (via drill 0.3)
  Top 0.15: PCB2.CH4 18.29,97.11 arc-45 19,97.4 30.86,97.4 arc45 31.57,97.69 32.26,98.38 arc45 32.55,99.09 32.55,99.95 arc-45 33.06,101.19 33.51,101.63 arc45 33.8,102.34 33.8,102.88 arc-45 34.24,103.94 arc45 34.7,105.05 34.7,106.58 arc-45 35.21,107.81 36.39,108.99 arc45 36.9,110.22 36.9,112.39 arc-45 v37.19,113.09 v37.2,113.1 | v64.65,126.7 64.75,126.6 arc-45 64.9,126.24 64.9,125.39 arc-45 64.61,124.68 64.22,124.29 arc-45 63.51,124 59.57,124 arc45 58.68,123.63 57.64,122.59 arc-45 56.94,122.3 42.74,122.3 arc45 40.19,121.3 40.18,121.29 arc-45 39.47,121 v36.4,121
  Top 0.2: J26.2 19.81,154.03 arc-45 19.52,153.32 18.94,152.74 arc45 18.5,151.68 18.5,150.42 arc-45 18.13,149.53 16.57,147.97 arc-45 15.68,147.6 9.9,147.6 arc90 8.4,146.1 8.4,135.06 arc45 8.69,134.36 10.26,132.79 arc-45 10.55,132.09 v10.55,130.8 10.55,119.13 arc-45 10.26,118.42 JP26.2
  3V3@2 0.15: v14.7,130.8 v10.55,130.8 | v35.7,124.35 35.7,122.3 36.4,121.6 v36.4,121
  Bottom 0.15: v64.65,126.7 64.73,126.78 arc45 64.88,127.13 64.88,128.22 arc45 64.73,128.57 64.5,128.8 arc-45 64.35,129.16 64.35,130.34 arc-45 64.64,131.04 64.85,131.25 arc45 65,131.61 IC38.19 | v37.2,113.1 37.41,113.31 arc45 37.7,114.01 37.7,118.29 arc45 37.41,118.99 37.09,119.31 arc45 36.39,119.6 36.3,119.6 arc-90 35.8,120.1 35.8,120.5 arc-90 36.3,121 v36.4,121 | v14.7,130.8 14.91,130.59 arc45 15.61,130.3 26.43,130.3 arc-45 27.32,129.93 28.91,128.34 arc45 29.97,127.9 32.95,127.9 arc-90 34.2,126.65 34.2,126.2 arc45 34.36,125.82 35.61,124.56 arc-45 v35.7,124.35
  Bottom 0.3: J26.6 J26.2
UART4_EXT_TX3  (via drill 0.3)
  Top 0.15: PCB3.CH4 146.29,97.11 arc-45 147,97.4 158.86,97.4 arc45 159.57,97.69 160.26,98.38 arc45 160.55,99.09 160.55,99.95 arc-45 161.06,101.19 161.51,101.63 arc45 161.8,102.34 161.8,102.88 arc-45 162.24,103.94 arc45 162.7,105.05 162.7,106.58 arc-45 163.21,107.81 164.39,108.99 arc45 164.9,110.22 164.9,112.39 arc-45 v165.19,113.09 v165.2,113.1 | v192.65,126.7 192.75,126.6 arc-45 192.9,126.24 192.9,125.39 arc-45 192.61,124.68 192.22,124.29 arc-45 191.51,124 187.57,124 arc45 186.68,123.63 185.64,122.59 arc-45 184.94,122.3 170.74,122.3 arc45 168.19,121.3 168.18,121.29 arc-45 167.47,121 v164.4,121
  Top 0.2: J36.2 147.81,154.03 arc-45 147.52,153.32 146.94,152.74 arc45 146.5,151.68 146.5,150.42 arc-45 146.13,149.53 144.57,147.97 arc-45 143.68,147.6 137.9,147.6 arc90 136.4,146.1 136.4,135.06 arc45 136.69,134.36 138.26,132.79 arc-45 138.55,132.09 v138.55,130.8 138.55,119.13 arc-45 138.26,118.42 JP35.2